# EAGLE board Mk4 Final Panel (EAGLE 9.0.1), part 7 of 18 (continued)
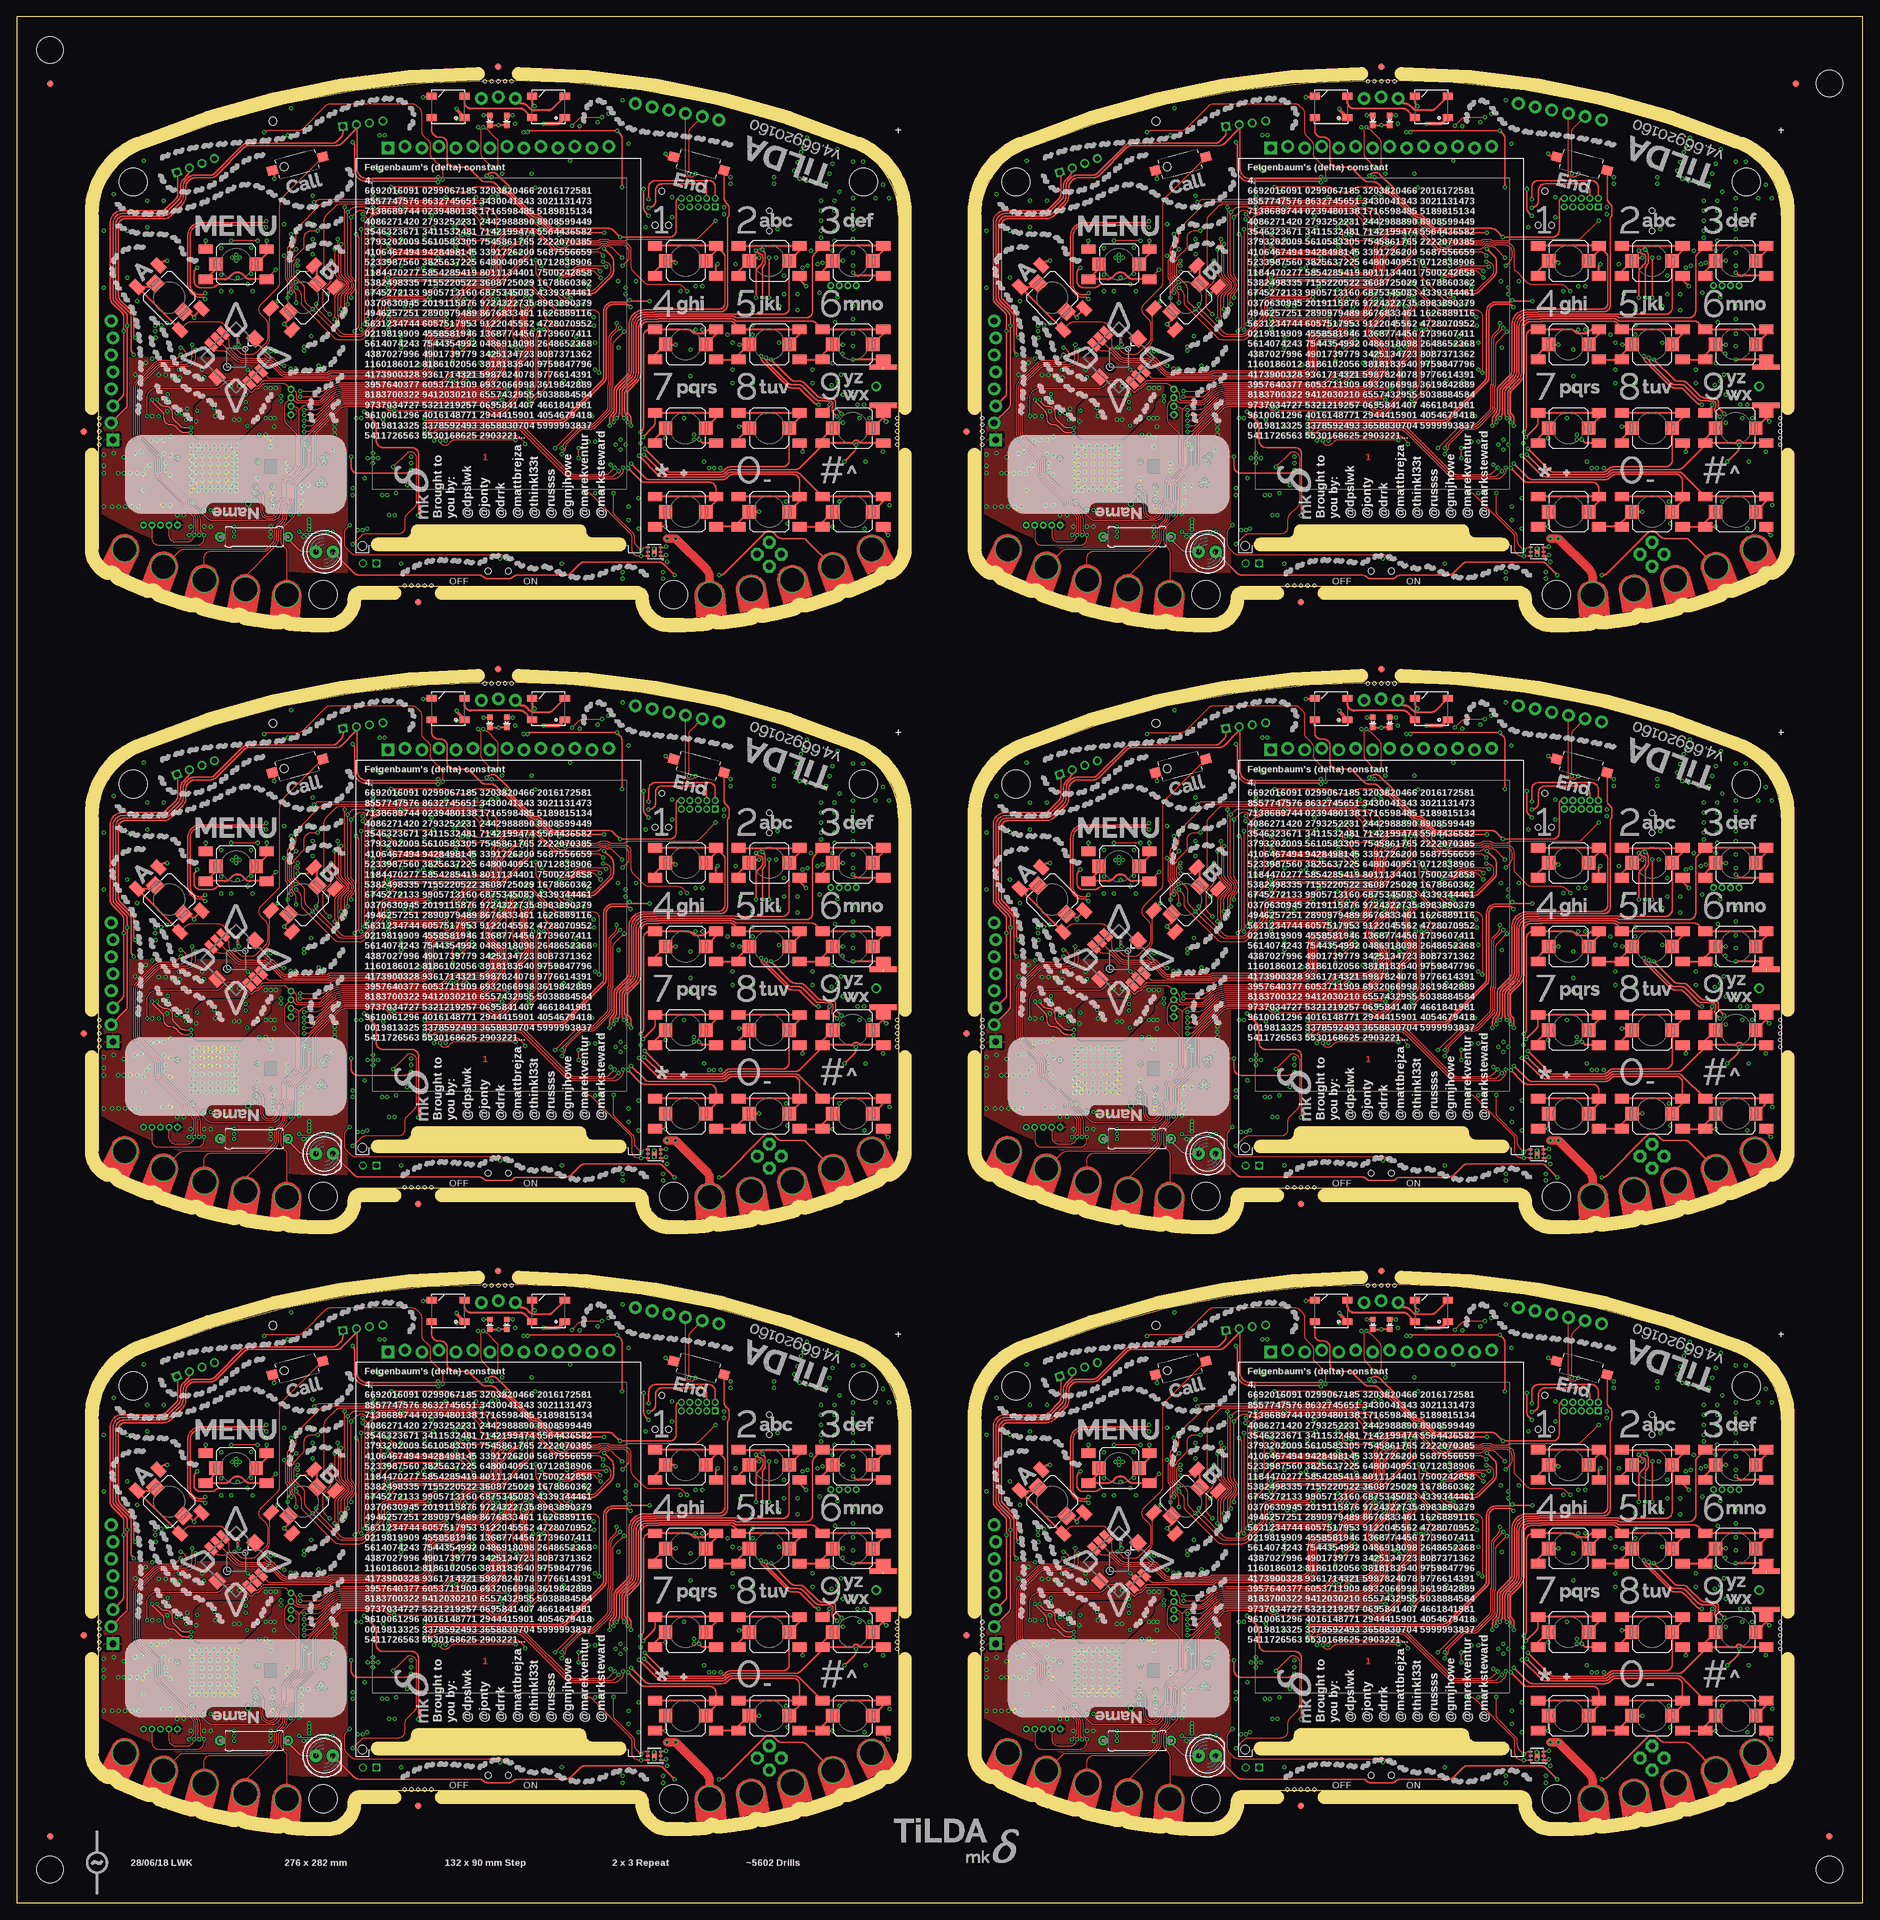
[diagram p0: board, top side]
## Tracks (layer width: path | path; a pad name or v marks a point on that pad's centre or on a via) (continued)
CC_!RTS2
  Bottom 0.2: IC47.50 35.04,127.75 arc-45 35.4,127.6 35.65,127.35 arc45 36.01,127.2 38.05,127.2 arc90 38.55,127.7 38.55,127.8 R226.1
CC_!RTS3
  Bottom 0.2: IC65.50 167.04,127.75 arc-45 167.4,127.6 167.65,127.35 arc45 168.01,127.2 170.05,127.2 arc90 170.55,127.7 170.55,127.8 R304.1
CC_!RTS4
  Bottom 0.2: IC83.50 35.04,217.75 arc-45 35.4,217.6 35.65,217.35 arc45 36.01,217.2 38.05,217.2 arc90 38.55,217.7 38.55,217.8 R382.1
CC_!RTS5
  Bottom 0.2: IC101.50 167.04,217.75 arc-45 167.4,217.6 167.65,217.35 arc45 168.01,217.2 170.05,217.2 arc90 170.55,217.7 170.55,217.8 R460.1
CC_IRQ  (via drill 0.3)
  Top 0.15: v26.25,29.44 26.27,29.41 26.27,29.23 28.56,26.94 arc45 29.26,26.65 38.15,26.65 arc90 39.4,27.9 arc-45 39.91,29.14 39.96,29.18 arc45 40.4,30.25 40.4,31.6 arc-45 40.99,33.01 42.12,34.15 arc45 42.56,35.21 42.56,38.02 arc-45 42.86,38.73 47.99,43.86 arc-45 49.05,44.3 69.69,44.3 arc-45 70.39,44.01 70.91,43.49 arc45 71.61,43.2 71.89,43.2 arc45 72.59,43.49 74.21,45.11 arc45 74.5,45.81 74.5,49.68 arc-45 74.94,50.74 75.96,51.76 arc45 76.33,52.64 76.33,53.09 76.3,53.12 arc45 76.12,53.56 75.89,53.78 arc-45 75.6,54.49 75.6,57.44 arc-45 75.89,58.15 76.13,58.39 arc45 76.28,58.74 76.28,59.27 arc-45 76.42,59.62 v76.8,60
  Bottom 0.15: R72.1 26.25,27.75 v26.25,29.44 IC15.15 | IC1.123 78.82,60.8 arc45 78.78,60.78 arc-45 78.64,60.73 78.36,60.73 arc-45 78.22,60.78 78.17,60.84 arc45 78.03,60.9 76.08,60.9 arc90 75.58,60.4 75.58,60.2 arc90 76.08,59.7 76.5,59.7 v76.8,60
CC_IRQ1  (via drill 0.3)
  Top 0.15: v158.25,29.44 158.28,29.41 158.28,29.23 160.56,26.94 arc45 161.26,26.65 170.15,26.65 arc90 171.4,27.9 arc-45 171.91,29.14 171.96,29.18 arc45 172.4,30.25 172.4,31.6 arc-45 172.99,33.01 174.12,34.15 arc45 174.56,35.21 174.56,38.02 arc-45 174.86,38.73 179.99,43.86 arc-45 181.05,44.3 201.69,44.3 arc-45 202.39,44.01 202.91,43.49 arc45 203.61,43.2 203.89,43.2 arc45 204.59,43.49 206.21,45.11 arc45 206.5,45.81 206.5,49.68 arc-45 206.94,50.74 207.96,51.76 arc45 208.32,52.64 208.32,53.09 208.3,53.12 arc45 208.12,53.56 207.89,53.78 arc-45 207.6,54.49 207.6,57.44 arc-45 207.89,58.15 208.13,58.39 arc45 208.28,58.74 208.28,59.27 arc-45 208.42,59.62 v208.8,60
  Bottom 0.15: R150.1 158.25,27.75 v158.25,29.44 IC29.15 | IC20.123 210.82,60.8 arc45 210.78,60.78 arc-45 210.63,60.73 210.37,60.73 arc-45 210.22,60.78 210.17,60.84 arc45 210.03,60.9 208.07,60.9 arc90 207.57,60.4 207.57,60.2 arc90 208.07,59.7 208.5,59.7 v208.8,60
CC_IRQ2  (via drill 0.3)
  Top 0.15: v26.25,119.44 26.27,119.41 26.27,119.22 28.56,116.94 arc45 29.26,116.65 38.15,116.65 arc90 39.4,117.9 arc-45 39.91,119.14 39.96,119.19 arc45 40.4,120.25 40.4,121.6 arc-45 40.99,123.01 42.12,124.15 arc45 42.56,125.21 42.56,128.02 arc-45 42.86,128.73 47.99,133.86 arc-45 49.05,134.3 69.69,134.3 arc-45 70.39,134.01 70.91,133.49 arc45 71.61,133.2 71.89,133.2 arc45 72.59,133.49 74.21,135.11 arc45 74.5,135.81 74.5,139.68 arc-45 74.94,140.74 75.96,141.76 arc45 76.33,142.64 76.33,143.09 76.3,143.12 arc45 76.12,143.56 75.89,143.78 arc-45 75.6,144.49 75.6,147.44 arc-45 75.89,148.15 76.13,148.39 arc45 76.28,148.74 76.28,149.27 arc-45 76.42,149.62 v76.8,150
  Bottom 0.15: R228.1 26.25,117.75 v26.25,119.44 IC47.15 | IC38.123 78.82,150.8 arc45 78.78,150.78 arc-45 78.64,150.72 78.36,150.72 arc-45 78.22,150.78 78.17,150.84 arc45 78.03,150.9 76.08,150.9 arc90 75.58,150.4 75.58,150.2 arc90 76.08,149.7 76.5,149.7 v76.8,150
CC_IRQ3  (via drill 0.3)
  Top 0.15: v158.25,119.44 158.28,119.41 158.28,119.22 160.56,116.94 arc45 161.26,116.65 170.15,116.65 arc90 171.4,117.9 arc-45 171.91,119.14 171.96,119.19 arc45 172.4,120.25 172.4,121.6 arc-45 172.99,123.01 174.12,124.15 arc45 174.56,125.21 174.56,128.02 arc-45 174.86,128.73 179.99,133.86 arc-45 181.05,134.3 201.69,134.3 arc-45 202.39,134.01 202.91,133.49 arc45 203.61,133.2 203.89,133.2 arc45 204.59,133.49 206.21,135.11 arc45 206.5,135.81 206.5,139.68 arc-45 206.94,140.74 207.96,141.76 arc45 208.32,142.64 208.32,143.09 208.3,143.12 arc45 208.12,143.56 207.89,143.78 arc-45 207.6,144.49 207.6,147.44 arc-45 207.89,148.15 208.13,148.39 arc45 208.28,148.74 208.28,149.27 arc-45 208.42,149.62 v208.8,150
  Bottom 0.15: R306.1 158.25,117.75 v158.25,119.44 IC65.15 | IC56.123 210.82,150.8 arc45 210.78,150.78 arc-45 210.63,150.72 210.37,150.72 arc-45 210.22,150.78 210.17,150.84 arc45 210.03,150.9 208.07,150.9 arc90 207.57,150.4 207.57,150.2 arc90 208.07,149.7 208.5,149.7 v208.8,150
CC_IRQ4  (via drill 0.3)
  Top 0.15: v26.25,209.44 26.27,209.41 26.27,209.22 28.56,206.94 arc45 29.26,206.65 38.15,206.65 arc90 39.4,207.9 arc-45 39.91,209.14 39.96,209.19 arc45 40.4,210.25 40.4,211.6 arc-45 40.99,213.01 42.12,214.15 arc45 42.56,215.21 42.56,218.02 arc-45 42.86,218.73 47.99,223.86 arc-45 49.05,224.3 69.69,224.3 arc-45 70.39,224.01 70.91,223.49 arc45 71.61,223.2 71.89,223.2 arc45 72.59,223.49 74.21,225.11 arc45 74.5,225.81 74.5,229.68 arc-45 74.94,230.74 75.96,231.76 arc45 76.33,232.64 76.33,233.09 76.3,233.12 arc45 76.12,233.56 75.89,233.78 arc-45 75.6,234.49 75.6,237.44 arc-45 75.89,238.15 76.13,238.39 arc45 76.28,238.74 76.28,239.27 arc-45 76.42,239.62 v76.8,240
  Bottom 0.15: R384.1 26.25,207.75 v26.25,209.44 IC83.15 | IC74.123 78.82,240.8 arc45 78.78,240.78 arc-45 78.64,240.72 78.36,240.72 arc-45 78.22,240.78 78.17,240.84 arc45 78.03,240.9 76.08,240.9 arc90 75.58,240.4 75.58,240.2 arc90 76.08,239.7 76.5,239.7 v76.8,240
CC_IRQ5  (via drill 0.3)
  Top 0.15: v158.25,209.44 158.28,209.41 158.28,209.22 160.56,206.94 arc45 161.26,206.65 170.15,206.65 arc90 171.4,207.9 arc-45 171.91,209.14 171.96,209.19 arc45 172.4,210.25 172.4,211.6 arc-45 172.99,213.01 174.12,214.15 arc45 174.56,215.21 174.56,218.02 arc-45 174.86,218.73 179.99,223.86 arc-45 181.05,224.3 201.69,224.3 arc-45 202.39,224.01 202.91,223.49 arc45 203.61,223.2 203.89,223.2 arc45 204.59,223.49 206.21,225.11 arc45 206.5,225.81 206.5,229.68 arc-45 206.94,230.74 207.96,231.76 arc45 208.32,232.64 208.32,233.09 208.3,233.12 arc45 208.12,233.56 207.89,233.78 arc-45 207.6,234.49 207.6,237.44 arc-45 207.89,238.15 208.13,238.39 arc45 208.28,238.74 208.28,239.27 arc-45 208.42,239.62 v208.8,240
  Bottom 0.15: R462.1 158.25,207.75 v158.25,209.44 IC101.15 | IC92.123 210.82,240.8 arc45 210.78,240.78 arc-45 210.63,240.72 210.37,240.72 arc-45 210.22,240.78 210.17,240.84 arc45 210.03,240.9 208.07,240.9 arc90 207.57,240.4 207.57,240.2 arc90 208.07,239.7 208.5,239.7 v208.8,240
CC_RCT_XTAL_N
  Bottom 0.25: C100.2 38.05,33.25 X3.P$1 37.25,33.2 arc-90 36.75,33.7 36.75,35.44 arc45 36.6,35.8 36.15,36.25 arc45 35.79,36.4 35.56,36.4 arc-45 35.2,36.55 35.15,36.6 arc45 34.79,36.75 IC15.52
CC_RCT_XTAL_N1
  Bottom 0.25: C208.2 170.05,33.25 X7.P$1 169.25,33.2 arc-90 168.75,33.7 168.75,35.44 arc45 168.6,35.8 168.15,36.25 arc45 167.79,36.4 167.56,36.4 arc-45 167.2,36.55 167.15,36.6 arc45 166.79,36.75 IC29.52
CC_RCT_XTAL_N2
  Bottom 0.25: C316.2 38.05,123.25 X11.P$1 37.25,123.2 arc-90 36.75,123.7 36.75,125.44 arc45 36.6,125.8 36.15,126.25 arc45 35.79,126.4 35.56,126.4 arc-45 35.2,126.55 35.15,126.6 arc45 34.79,126.75 IC47.52
CC_RCT_XTAL_N3
  Bottom 0.25: C424.2 170.05,123.25 X15.P$1 169.25,123.2 arc-90 168.75,123.7 168.75,125.44 arc45 168.6,125.8 168.15,126.25 arc45 167.79,126.4 167.56,126.4 arc-45 167.2,126.55 167.15,126.6 arc45 166.79,126.75 IC65.52
CC_RCT_XTAL_N4
  Bottom 0.25: C532.2 38.05,213.25 X19.P$1 37.25,213.2 arc-90 36.75,213.7 36.75,215.44 arc45 36.6,215.8 36.15,216.25 arc45 35.79,216.4 35.56,216.4 arc-45 35.2,216.55 35.15,216.6 arc45 34.79,216.75 IC83.52
CC_RCT_XTAL_N5
  Bottom 0.25: C640.2 170.05,213.25 X23.P$1 169.25,213.2 arc-90 168.75,213.7 168.75,215.44 arc45 168.6,215.8 168.15,216.25 arc45 167.79,216.4 167.56,216.4 arc-45 167.2,216.55 167.15,216.6 arc45 166.79,216.75 IC101.52
CC_RESERVED@1
  Bottom 0.15: IC29.19 156.72,31.75 arc90 156.47,31.5 156.47,30.53 157,30.01 R143.1
CC_RESERVED@2
  Bottom 0.15: IC47.19 24.73,121.75 arc90 24.48,121.5 24.48,120.53 25,120.01 R221.1
CC_RESERVED@3
  Bottom 0.15: IC65.19 156.72,121.75 arc90 156.47,121.5 156.47,120.53 157,120.01 R299.1
CC_RESERVED@4
  Bottom 0.15: IC83.19 24.73,211.75 arc90 24.48,211.5 24.48,210.53 25,210.01 R377.1
CC_RESERVED@5
  Bottom 0.15: IC101.19 156.72,211.75 arc90 156.47,211.5 156.47,210.53 157,210.01 R455.1
CC_RESERVED@19
  Bottom 0.15: IC15.19 24.73,31.75 arc90 24.48,31.5 24.48,30.53 25,30.01 R65.1
CC_RTC_XTAL_P
  Bottom 0.25: C101.2 38.05,36.25 X3.P$2 36.91,36.3 arc-45 36.55,36.45 36.32,36.68 arc45 35.97,36.83 35.85,36.83 arc-45 35.5,36.97 35.37,37.1 arc45 35.01,37.25 IC15.51
CC_RTC_XTAL_P1
  Bottom 0.25: C209.2 170.05,36.25 X7.P$2 168.91,36.3 arc-45 168.55,36.45 168.32,36.68 arc45 167.97,36.83 167.85,36.83 arc-45 167.5,36.97 167.37,37.1 arc45 167.01,37.25 IC29.51
CC_RTC_XTAL_P2
  Bottom 0.25: C317.2 38.05,126.25 X11.P$2 36.91,126.3 arc-45 36.55,126.45 36.32,126.68 arc45 35.97,126.83 35.85,126.83 arc-45 35.5,126.97 35.37,127.1 arc45 35.01,127.25 IC47.51
CC_RTC_XTAL_P3
  Bottom 0.25: C425.2 170.05,126.25 X15.P$2 168.91,126.3 arc-45 168.55,126.45 168.32,126.68 arc45 167.97,126.83 167.85,126.83 arc-45 167.5,126.97 167.37,127.1 arc45 167.01,127.25 IC65.51
CC_RTC_XTAL_P4
  Bottom 0.25: C533.2 38.05,216.25 X19.P$2 36.91,216.3 arc-45 36.55,216.45 36.32,216.68 arc45 35.97,216.82 35.85,216.82 arc-45 35.5,216.97 35.37,217.1 arc45 35.01,217.25 IC83.51
CC_RTC_XTAL_P5
  Bottom 0.25: C641.2 170.05,216.25 X23.P$2 168.91,216.3 arc-45 168.55,216.45 168.32,216.68 arc45 167.97,216.82 167.85,216.82 arc-45 167.5,216.97 167.37,217.1 arc45 167.01,217.25 IC101.51
CC_TEST1
  Bottom 0.15: IC29.62 166.32,31.75 arc-90 166.53,31.55 166.53,29.27 TP38.TP
CC_TEST2
  Bottom 0.15: IC47.62 34.33,121.75 arc-90 34.52,121.55 34.52,119.28 TP57.TP
CC_TEST3
  Bottom 0.15: IC65.62 166.32,121.75 arc-90 166.53,121.55 166.53,119.28 TP76.TP
CC_TEST4
  Bottom 0.15: IC83.62 34.33,211.75 arc-90 34.52,211.55 34.52,209.28 TP95.TP
CC_TEST5
  Bottom 0.15: IC101.62 166.32,211.75 arc-90 166.53,211.55 166.53,209.28 TP114.TP
CC_TEST62
  Bottom 0.15: IC15.62 34.33,31.75 arc-90 34.52,31.55 34.52,29.27 TP19.TP
CC_WLAN_XTAL_
  Bottom 0.15: X4.3 19.88,30.32 20.51,30.96 arc-45 21.21,31.25 22.04,31.25 arc-45 22.74,30.96 C99.2 arc90 23.88,31.68 23.88,32.5 arc-90 24.62,33.25 IC15.22
CC_WLAN_XTAL_1
  Bottom 0.15: X8.3 151.88,30.32 152.51,30.96 arc-45 153.21,31.25 154.04,31.25 arc-45 154.74,30.96 C207.2 arc90 155.88,31.68 155.88,32.5 arc-90 156.62,33.25 IC29.22
CC_WLAN_XTAL_2
  Bottom 0.15: X12.3 19.88,120.33 20.51,120.96 arc-45 21.21,121.25 22.04,121.25 arc-45 22.74,120.96 C315.2 arc90 23.88,121.67 23.88,122.5 arc-90 24.62,123.25 IC47.22
CC_WLAN_XTAL_3
  Bottom 0.15: X16.3 151.88,120.33 152.51,120.96 arc-45 153.21,121.25 154.04,121.25 arc-45 154.74,120.96 C423.2 arc90 155.88,121.67 155.88,122.5 arc-90 156.62,123.25 IC65.22
CC_WLAN_XTAL_4
  Bottom 0.15: X20.3 19.88,210.32 20.51,210.96 arc-45 21.21,211.25 22.04,211.25 arc-45 22.74,210.96 C531.2 arc90 23.88,211.68 23.88,212.5 arc-90 24.62,213.25 IC83.22
CC_WLAN_XTAL_5
  Bottom 0.15: X24.3 151.88,210.32 152.51,210.96 arc-45 153.21,211.25 154.04,211.25 arc-45 154.74,210.96 C639.2 arc90 155.88,211.68 155.88,212.5 arc-90 156.62,213.25 IC101.22
CC_WLAN_XTAL_P
  Bottom 0.15: X4.1 22.38,31.75 C98.2 arc90 23.58,32.38 23.58,32.75 arc-90 24.58,33.75 IC15.23
CC_WLAN_XTAL_P1
  Bottom 0.15: X8.1 154.38,31.75 C206.2 arc90 155.57,32.38 155.57,32.75 arc-90 156.57,33.75 IC29.23
CC_WLAN_XTAL_P2
  Bottom 0.15: X12.1 22.38,121.75 C314.2 arc90 23.58,122.38 23.58,122.75 arc-90 24.58,123.75 IC47.23
CC_WLAN_XTAL_P3
  Bottom 0.15: X16.1 154.38,121.75 C422.2 arc90 155.57,122.38 155.57,122.75 arc-90 156.57,123.75 IC65.23
CC_WLAN_XTAL_P4
  Bottom 0.15: X20.1 22.38,211.75 C530.2 arc90 23.58,212.38 23.58,212.75 arc-90 24.58,213.75 IC83.23
CC_WLAN_XTAL_P5
  Bottom 0.15: X24.1 154.38,211.75 C638.2 arc90 155.57,212.38 155.57,212.75 arc-90 156.57,213.75 IC101.23
DCDC_ANA_SW
  Bottom 0.25: 28.25,42.7 IC15.38
  Bottom 0.4: L7.2 27.6,44.21 arc45 27.89,43.51 27.96,43.44 arc-45 28.25,42.74 28.25,42.7
DCDC_ANA_SW1
  Bottom 0.25: 160.25,42.7 IC29.38
  Bottom 0.4: L16.2 159.6,44.21 arc45 159.89,43.51 159.96,43.44 arc-45 160.25,42.74 160.25,42.7
DCDC_ANA_SW2
  Bottom 0.25: 28.25,132.7 IC47.38
  Bottom 0.4: L25.2 27.6,134.21 arc45 27.89,133.51 27.96,133.44 arc-45 28.25,132.74 28.25,132.7
DCDC_ANA_SW3
  Bottom 0.25: 160.25,132.7 IC65.38
  Bottom 0.4: L34.2 159.6,134.21 arc45 159.89,133.51 159.96,133.44 arc-45 160.25,132.74 160.25,132.7
DCDC_ANA_SW4
  Bottom 0.25: 28.25,222.7 IC83.38
  Bottom 0.4: L43.2 27.6,224.21 arc45 27.89,223.51 27.96,223.44 arc-45 28.25,222.74 28.25,222.7
DCDC_ANA_SW5
  Bottom 0.25: 160.25,222.7 IC101.38
  Bottom 0.4: L52.2 159.6,224.21 arc45 159.89,223.51 159.96,223.44 arc-45 160.25,222.74 160.25,222.7
DCDC_DIG_SW
  Bottom 0.25: IC15.43 30.75,39.79 arc-45 31.04,40.49 31.56,41.01 arc45 31.85,41.71 arc-45 32.12,42.37 32.21,42.46 arc-45 32.91,42.75 35.85,42.75 L9.2
DCDC_DIG_SW1
  Bottom 0.25: IC29.43 162.75,39.79 arc-45 163.04,40.49 163.56,41.01 arc45 163.85,41.71 arc-45 164.12,42.37 164.21,42.46 arc-45 164.91,42.75 167.85,42.75 L18.2
DCDC_DIG_SW2
  Bottom 0.25: IC47.43 30.75,129.79 arc-45 31.04,130.49 31.56,131.01 arc45 31.85,131.71 arc-45 32.12,132.37 32.21,132.46 arc-45 32.91,132.75 35.85,132.75 L27.2
DCDC_DIG_SW3
  Bottom 0.25: IC65.43 162.75,129.79 arc-45 163.04,130.49 163.56,131.01 arc45 163.85,131.71 arc-45 164.12,132.37 164.21,132.46 arc-45 164.91,132.75 167.85,132.75 L36.2
DCDC_DIG_SW4
  Bottom 0.25: IC83.43 30.75,219.79 arc-45 31.04,220.49 31.56,221.01 arc45 31.85,221.71 arc-45 32.12,222.37 32.21,222.46 arc-45 32.91,222.75 35.85,222.75 L45.2
DCDC_DIG_SW5
  Bottom 0.25: IC101.43 162.75,219.79 arc-45 163.04,220.49 163.56,221.01 arc45 163.85,221.71 arc-45 164.12,222.37 164.21,222.46 arc-45 164.91,222.75 167.85,222.75 L54.2
DCDC_PA_SW_N
  Bottom 0.25: IC15.41 29.75,40.29 arc-45 30.04,40.99 30.75,41.7
  Bottom 0.3: 30.75,41.7 30.75,41.76 31,42.01 31,44 31.1,44.1
  Bottom 0.5: 31.1,44.1 31.1,45.59 arc45 30.95,45.95 30.3,46.6 L8.1
DCDC_PA_SW_N1
  Bottom 0.25: IC29.41 161.75,40.29 arc-45 162.04,40.99 162.75,41.7
  Bottom 0.3: 162.75,41.7 162.75,41.76 163,42.01 163,44 163.1,44.1
  Bottom 0.5: 163.1,44.1 163.1,45.59 arc45 162.95,45.95 162.3,46.6 L17.1
DCDC_PA_SW_N2
  Bottom 0.25: IC47.41 29.75,130.29 arc-45 30.04,130.99 30.75,131.7
  Bottom 0.3: 30.75,131.7 30.75,131.76 31,132.01 31,134 31.1,134.1
  Bottom 0.5: 31.1,134.1 31.1,135.59 arc45 30.95,135.95 30.3,136.6 L26.1
DCDC_PA_SW_N3
  Bottom 0.25: IC65.41 161.75,130.29 arc-45 162.04,130.99 162.75,131.7
  Bottom 0.3: 162.75,131.7 162.75,131.76 163,132.01 163,134 163.1,134.1
  Bottom 0.5: 163.1,134.1 163.1,135.59 arc45 162.95,135.95 162.3,136.6 L35.1
DCDC_PA_SW_N4
  Bottom 0.25: IC83.41 29.75,220.29 arc-45 30.04,220.99 30.75,221.7
  Bottom 0.3: 30.75,221.7 30.75,221.76 31,222.01 31,224 31.1,224.1
  Bottom 0.5: 31.1,224.1 31.1,225.59 arc45 30.95,225.95 30.3,226.6 L44.1
DCDC_PA_SW_N5
  Bottom 0.25: IC101.41 161.75,220.29 arc-45 162.04,220.99 162.75,221.7
  Bottom 0.3: 162.75,221.7 162.75,221.76 163,222.01 163,224 163.1,224.1
  Bottom 0.5: 163.1,224.1 163.1,225.59 arc45 162.95,225.95 162.3,226.6 L53.1
DCDC_PA_SW_P
  Bottom 0.25: IC15.40 29.25,40.55 arc-45 29.54,41.26 30.25,41.97 30.45,42.17
  Bottom 0.4: L8.2 30.45,44.4 30.45,42.17
DCDC_PA_SW_P1
  Bottom 0.25: IC29.40 161.25,40.55 arc-45 161.54,41.26 162.25,41.97 162.45,42.17
  Bottom 0.4: L17.2 162.45,44.4 162.45,42.17
DCDC_PA_SW_P2
  Bottom 0.25: IC47.40 29.25,130.55 arc-45 29.54,131.26 30.25,131.97 30.45,132.17
  Bottom 0.4: L26.2 30.45,134.4 30.45,132.17
DCDC_PA_SW_P3
  Bottom 0.25: IC65.40 161.25,130.55 arc-45 161.54,131.26 162.25,131.97 162.45,132.17
  Bottom 0.4: L35.2 162.45,134.4 162.45,132.17
DCDC_PA_SW_P4
  Bottom 0.25: IC83.40 29.25,220.55 arc-45 29.54,221.26 30.25,221.97 30.45,222.17
  Bottom 0.4: L44.2 30.45,224.4 30.45,222.17
DCDC_PA_SW_P5
  Bottom 0.25: IC101.40 161.25,220.55 arc-45 161.54,221.26 162.25,221.97 162.45,222.17
  Bottom 0.4: L53.2 162.45,224.4 162.45,222.17
EN0RXI_N
  Bottom 0.22: IC1.53 63.41,66.8 63.4,66.81 61.1,66.81 arc-90 58.81,69.1 58.81,69.3 58.81,76.8 arc-90 62.2,80.19 68.3,80.19 arc90 69.22,81.1 69.22,81.6 JP7.6
EN0RXI_N1
  Bottom 0.22: IC20.53 195.42,66.8 195.4,66.81 193.1,66.81 arc-90 190.81,69.1 190.81,69.3 190.81,76.8 arc-90 194.2,80.19 200.3,80.19 arc90 201.22,81.1 201.22,81.6 JP12.6
EN0RXI_N2
  Bottom 0.22: IC38.53 63.41,156.8 63.4,156.81 61.1,156.81 arc-90 58.81,159.1 58.81,159.3 58.81,166.8 arc-90 62.2,170.19 68.3,170.19 arc90 69.22,171.1 69.22,171.6 JP21.6
EN0RXI_N3
  Bottom 0.22: IC56.53 195.42,156.8 195.4,156.81 193.1,156.81 arc-90 190.81,159.1 190.81,159.3 190.81,166.8 arc-90 194.2,170.19 200.3,170.19 arc90 201.22,171.1 201.22,171.6 JP30.6
EN0RXI_N4
  Bottom 0.22: IC74.53 63.41,246.8 63.4,246.81 61.1,246.81 arc-90 58.81,249.1 58.81,249.3 58.81,256.8 arc-90 62.2,260.19 68.3,260.19 arc90 69.22,261.1 69.22,261.6 JP39.6
EN0RXI_N5
  Bottom 0.22: IC92.53 195.42,246.8 195.4,246.81 193.1,246.81 arc-90 190.81,249.1 190.81,249.3 190.81,256.8 arc-90 194.2,260.19 200.3,260.19 arc90 201.22,261.1 201.22,261.6 JP48.6
EN0RXI_P
  Bottom 0.22: IC1.54 63.41,67.2 63.4,67.19 61.1,67.19 arc-90 59.19,69.1 59.19,69.28 59.19,69.3 59.19,76.8 arc-90 62.2,79.81 68.3,79.81 arc90 69.58,81.1 69.58,81.23 JP7.7
EN0RXI_P1
  Bottom 0.22: IC20.54 195.42,67.2 195.4,67.19 193.1,67.19 arc-90 191.19,69.1 191.19,69.28 191.19,69.3 191.19,76.8 arc-90 194.2,79.81 200.3,79.81 arc90 201.59,81.1 201.59,81.23 JP12.7
EN0RXI_P2
  Bottom 0.22: IC38.54 63.41,157.2 63.4,157.19 61.1,157.19 arc-90 59.19,159.1 59.19,159.28 59.19,159.3 59.19,166.8 arc-90 62.2,169.81 68.3,169.81 arc90 69.58,171.1 69.58,171.23 JP21.7
EN0RXI_P3
  Bottom 0.22: IC56.54 195.42,157.2 195.4,157.19 193.1,157.19 arc-90 191.19,159.1 191.19,159.28 191.19,159.3 191.19,166.8 arc-90 194.2,169.81 200.3,169.81 arc90 201.59,171.1 201.59,171.23 JP30.7
EN0RXI_P4
  Bottom 0.22: IC74.54 63.41,247.2 63.4,247.19 61.1,247.19 arc-90 59.19,249.1 59.19,249.28 59.19,249.3 59.19,256.8 arc-90 62.2,259.81 68.3,259.81 arc90 69.58,261.1 69.58,261.23 JP39.7
EN0RXI_P5
  Bottom 0.22: IC92.54 195.42,247.2 195.4,247.19 193.1,247.19 arc-90 191.19,249.1 191.19,249.28 191.19,249.3 191.19,256.8 arc-90 194.2,259.81 200.3,259.81 arc90 201.59,261.1 201.59,261.23 JP48.7
EN0TXO_N
  Bottom 0.22: IC1.56 63.41,68 63.4,68.02 61.25,68.02 arc-90 59.87,69.4 59.87,76.45 arc-90 62.6,79.19 68.61,79.19 arc45 69.32,79.48 70.53,80.69 arc-45 71.24,80.98 78.36,80.98 arc-45 79.07,80.69 80.03,79.73 arc45 80.74,79.44 83.15,79.44 arc90 84.52,80.8 84.52,81.54 JP7.12
EN0TXO_N1
  Bottom 0.22: IC20.56 195.42,68 195.4,68.02 193.25,68.02 arc-90 191.87,69.4 191.87,76.45 arc-90 194.6,79.19 200.61,79.19 arc45 201.32,79.48 202.53,80.69 arc-45 203.24,80.98 210.36,80.98 arc-45 211.07,80.69 212.03,79.73 arc45 212.74,79.44 215.15,79.44 arc90 216.51,80.8 216.51,81.54 JP12.12
EN0TXO_N2
  Bottom 0.22: IC38.56 63.41,158 63.4,158.01 61.25,158.01 arc-90 59.87,159.4 59.87,166.45 arc-90 62.6,169.19 68.61,169.19 arc45 69.32,169.48 70.53,170.69 arc-45 71.24,170.99 78.36,170.99 arc-45 79.07,170.69 80.03,169.73 arc45 80.74,169.44 83.15,169.44 arc90 84.52,170.8 84.52,171.54 JP21.12
EN0TXO_N3
  Bottom 0.22: IC56.56 195.42,158 195.4,158.01 193.25,158.01 arc-90 191.87,159.4 191.87,166.45 arc-90 194.6,169.19 200.61,169.19 arc45 201.32,169.48 202.53,170.69 arc-45 203.24,170.99 210.36,170.99 arc-45 211.07,170.69 212.03,169.73 arc45 212.74,169.44 215.15,169.44 arc90 216.51,170.8 216.51,171.54 JP30.12
EN0TXO_N4
  Bottom 0.22: IC74.56 63.41,248 63.4,248.01 61.25,248.01 arc-90 59.87,249.4 59.87,256.45 arc-90 62.6,259.19 68.61,259.19 arc45 69.32,259.48 70.53,260.69 arc-45 71.24,260.99 78.36,260.99 arc-45 79.07,260.69 80.03,259.73 arc45 80.74,259.44 83.15,259.44 arc90 84.52,260.8 84.52,261.54 JP39.12
EN0TXO_N5
  Bottom 0.22: IC92.56 195.42,248 195.4,248.01 193.25,248.01 arc-90 191.87,249.4 191.87,256.45 arc-90 194.6,259.19 200.61,259.19 arc45 201.32,259.48 202.53,260.69 arc-45 203.24,260.99 210.36,260.99 arc-45 211.07,260.69 212.03,259.73 arc45 212.74,259.44 215.15,259.44 arc90 216.51,260.8 216.51,261.54 JP48.12
EN0TXO_P
  Bottom 0.22: IC1.57 63.41,68.4 63.4,68.38 61.25,68.38 arc-90 60.23,69.4 60.23,69.9 60.23,70 60.23,70.08 60.23,76.45 arc-90 62.6,78.81 68.76,78.81 arc45 69.47,79.11 70.68,80.32 arc-45 71.39,80.61 78.21,80.61 arc-45 78.92,80.32 79.88,79.36 arc45 80.59,79.06 83.15,79.06 arc90 84.89,80.8 84.89,81.29 JP7.13
EN0TXO_P1
  Bottom 0.22: IC20.57 195.42,68.4 195.4,68.38 193.25,68.38 arc-90 192.24,69.4 192.24,69.9 192.24,70 192.24,70.08 192.24,76.45 arc-90 194.6,78.81 200.76,78.81 arc45 201.47,79.11 202.68,80.32 arc-45 203.39,80.61 210.21,80.61 arc-45 210.92,80.32 211.88,79.36 arc45 212.59,79.06 215.15,79.06 arc90 216.88,80.8 216.88,81.29 JP12.13
EN0TXO_P2
  Bottom 0.22: IC38.57 63.41,158.4 63.4,158.38 61.25,158.38 arc-90 60.23,159.4 60.23,159.9 60.23,160 60.23,160.08 60.23,166.45 arc-90 62.6,168.81 68.76,168.81 arc45 69.47,169.11 70.68,170.32 arc-45 71.39,170.62 78.21,170.62 arc-45 78.92,170.32 79.88,169.36 arc45 80.59,169.06 83.15,169.06 arc90 84.89,170.8 84.89,171.29 JP21.13
EN0TXO_P3
  Bottom 0.22: IC56.57 195.42,158.4 195.4,158.38 193.25,158.38 arc-90 192.24,159.4 192.24,159.9 192.24,160 192.24,160.08 192.24,166.45 arc-90 194.6,168.81 200.76,168.81 arc45 201.47,169.11 202.68,170.32 arc-45 203.39,170.62 210.21,170.62 arc-45 210.92,170.32 211.88,169.36 arc45 212.59,169.06 215.15,169.06 arc90 216.88,170.8 216.88,171.29 JP30.13
EN0TXO_P4
  Bottom 0.22: IC74.57 63.41,248.4 63.4,248.38 61.25,248.38 arc-90 60.23,249.4 60.23,249.9 60.23,250 60.23,250.08 60.23,256.45 arc-90 62.6,258.81 68.76,258.81 arc45 69.47,259.11 70.68,260.32 arc-45 71.39,260.62 78.21,260.62 arc-45 78.92,260.32 79.88,259.36 arc45 80.59,259.06 83.15,259.06 arc90 84.89,260.8 84.89,261.29 JP39.13
EN0TXO_P5
  Bottom 0.22: IC92.57 195.42,248.4 195.4,248.38 193.25,248.38 arc-90 192.24,249.4 192.24,249.9 192.24,250 192.24,250.08 192.24,256.45 arc-90 194.6,258.81 200.76,258.81 arc45 201.47,259.11 202.68,260.32 arc-45 203.39,260.62 210.21,260.62 arc-45 210.92,260.32 211.88,259.36 arc45 212.59,259.06 215.15,259.06 arc90 216.88,260.8 216.88,261.29 JP48.13
ETHLED0
  Bottom 0.15: R1.2 56.5,78.51 arc45 56.79,77.81 57.51,77.09 arc-45 57.8,76.39 57.8,73.94 57.89,73.85 arc-90 57.89,73.15 57.8,73.06 57.8,69.19 57.89,69.1 arc-90 57.89,68.4 57.8,68.31 57.8,66.11 arc45 58.09,65.41 58.61,64.89 arc-45 58.9,64.19 58.9,63.4 arc90 59.9,62.4 IC1.42
ETHLED0_R
  Bottom 0.15: R1.1 arc-90 57.5,81 59.09,81 arc45 59.79,81.29 60.57,82.07 JP7.3
ETHLED0_R1
  Bottom 0.15: R85.1 arc-90 189.5,81 191.09,81 arc45 191.79,81.29 192.57,82.07 JP12.3
ETHLED0_R2
  Bottom 0.15: R163.1 arc-90 57.5,171 59.09,171 arc45 59.79,171.29 60.57,172.07 JP21.3
ETHLED0_R3
  Bottom 0.15: R241.1 arc-90 189.5,171 191.09,171 arc45 191.79,171.29 192.57,172.07 JP30.3
ETHLED0_R4
  Bottom 0.15: R319.1 arc-90 57.5,261 59.09,261 arc45 59.79,261.29 60.57,262.07 JP39.3
ETHLED0_R5
  Bottom 0.15: R397.1 arc-90 189.5,261 191.09,261 arc45 191.79,261.29 192.57,262.07 JP48.3
ETHLED1
  Bottom 0.15: R2.2 57.5,78.01 arc45 57.79,77.31 57.81,77.29 arc-45 58.1,76.59 58.1,74.07 58.14,74.03 arc-90 58.14,72.97 58.1,72.93 58.1,69.32 58.14,69.28 arc-90 58.14,68.22 58.1,68.18 58.1,66.31 arc45 58.39,65.61 59.01,64.99 arc-45 59.3,64.29 59.3,63.8 arc90 60.3,62.8 IC1.43
ETHLED1_R
  Bottom 0.15: R2.1 57.5,80.2 arc-90 58,80.7 59.42,80.7 arc45 59.77,80.85 59.78,80.85 arc-45 60.13,81 64.09,81 arc45 64.79,81.29 65.65,82.15 JP7.5
ETHLED1_R1
  Bottom 0.15: R86.1 189.5,80.2 arc-90 190,80.7 191.42,80.7 arc45 191.77,80.85 191.78,80.85 arc-45 192.13,81 196.09,81 arc45 196.79,81.29 197.65,82.15 JP12.5
ETHLED1_R2
  Bottom 0.15: R164.1 57.5,170.2 arc-90 58,170.7 59.42,170.7 arc45 59.77,170.85 59.78,170.85 arc-45 60.13,171 64.09,171 arc45 64.79,171.29 65.65,172.15 JP21.5
ETHLED1_R3
  Bottom 0.15: R242.1 189.5,170.2 arc-90 190,170.7 191.42,170.7 arc45 191.77,170.85 191.78,170.85 arc-45 192.13,171 196.09,171 arc45 196.79,171.29 197.65,172.15 JP30.5
ETHLED1_R4
  Bottom 0.15: R320.1 57.5,260.2 arc-90 58,260.7 59.42,260.7 arc45 59.77,260.85 59.78,260.85 arc-45 60.13,261 64.09,261 arc45 64.79,261.29 65.65,262.15 JP39.5
ETHLED1_R5
  Bottom 0.15: R398.1 189.5,260.2 arc-90 190,260.7 191.42,260.7 arc45 191.77,260.85 191.78,260.85 arc-45 192.13,261 196.09,261 arc45 196.79,261.29 197.65,262.15 JP48.5
ETHLED2
  Bottom 0.15: R85.2 188.5,78.51 arc45 188.79,77.81 189.51,77.09 arc-45 189.8,76.39 189.8,73.94 189.89,73.85 arc-90 189.89,73.15 189.8,73.06 189.8,69.19 189.89,69.1 arc-90 189.89,68.4 189.8,68.31 189.8,66.11 arc45 190.09,65.41 190.61,64.89 arc-45 190.9,64.19 190.9,63.4 arc90 191.9,62.4 IC20.42
ETHLED3
  Bottom 0.15: R86.2 189.5,78.01 arc45 189.79,77.31 189.81,77.29 arc-45 190.1,76.59 190.1,74.07 190.14,74.03 arc-90 190.14,72.97 190.1,72.93 190.1,69.32 190.14,69.28 arc-90 190.14,68.22 190.1,68.18 190.1,66.31 arc45 190.39,65.61 191.01,64.99 arc-45 191.3,64.29 191.3,63.8 arc90 192.3,62.8 IC20.43
ETHLED4